# KiCad board digital_board_v1.kicad_pcb (continued)
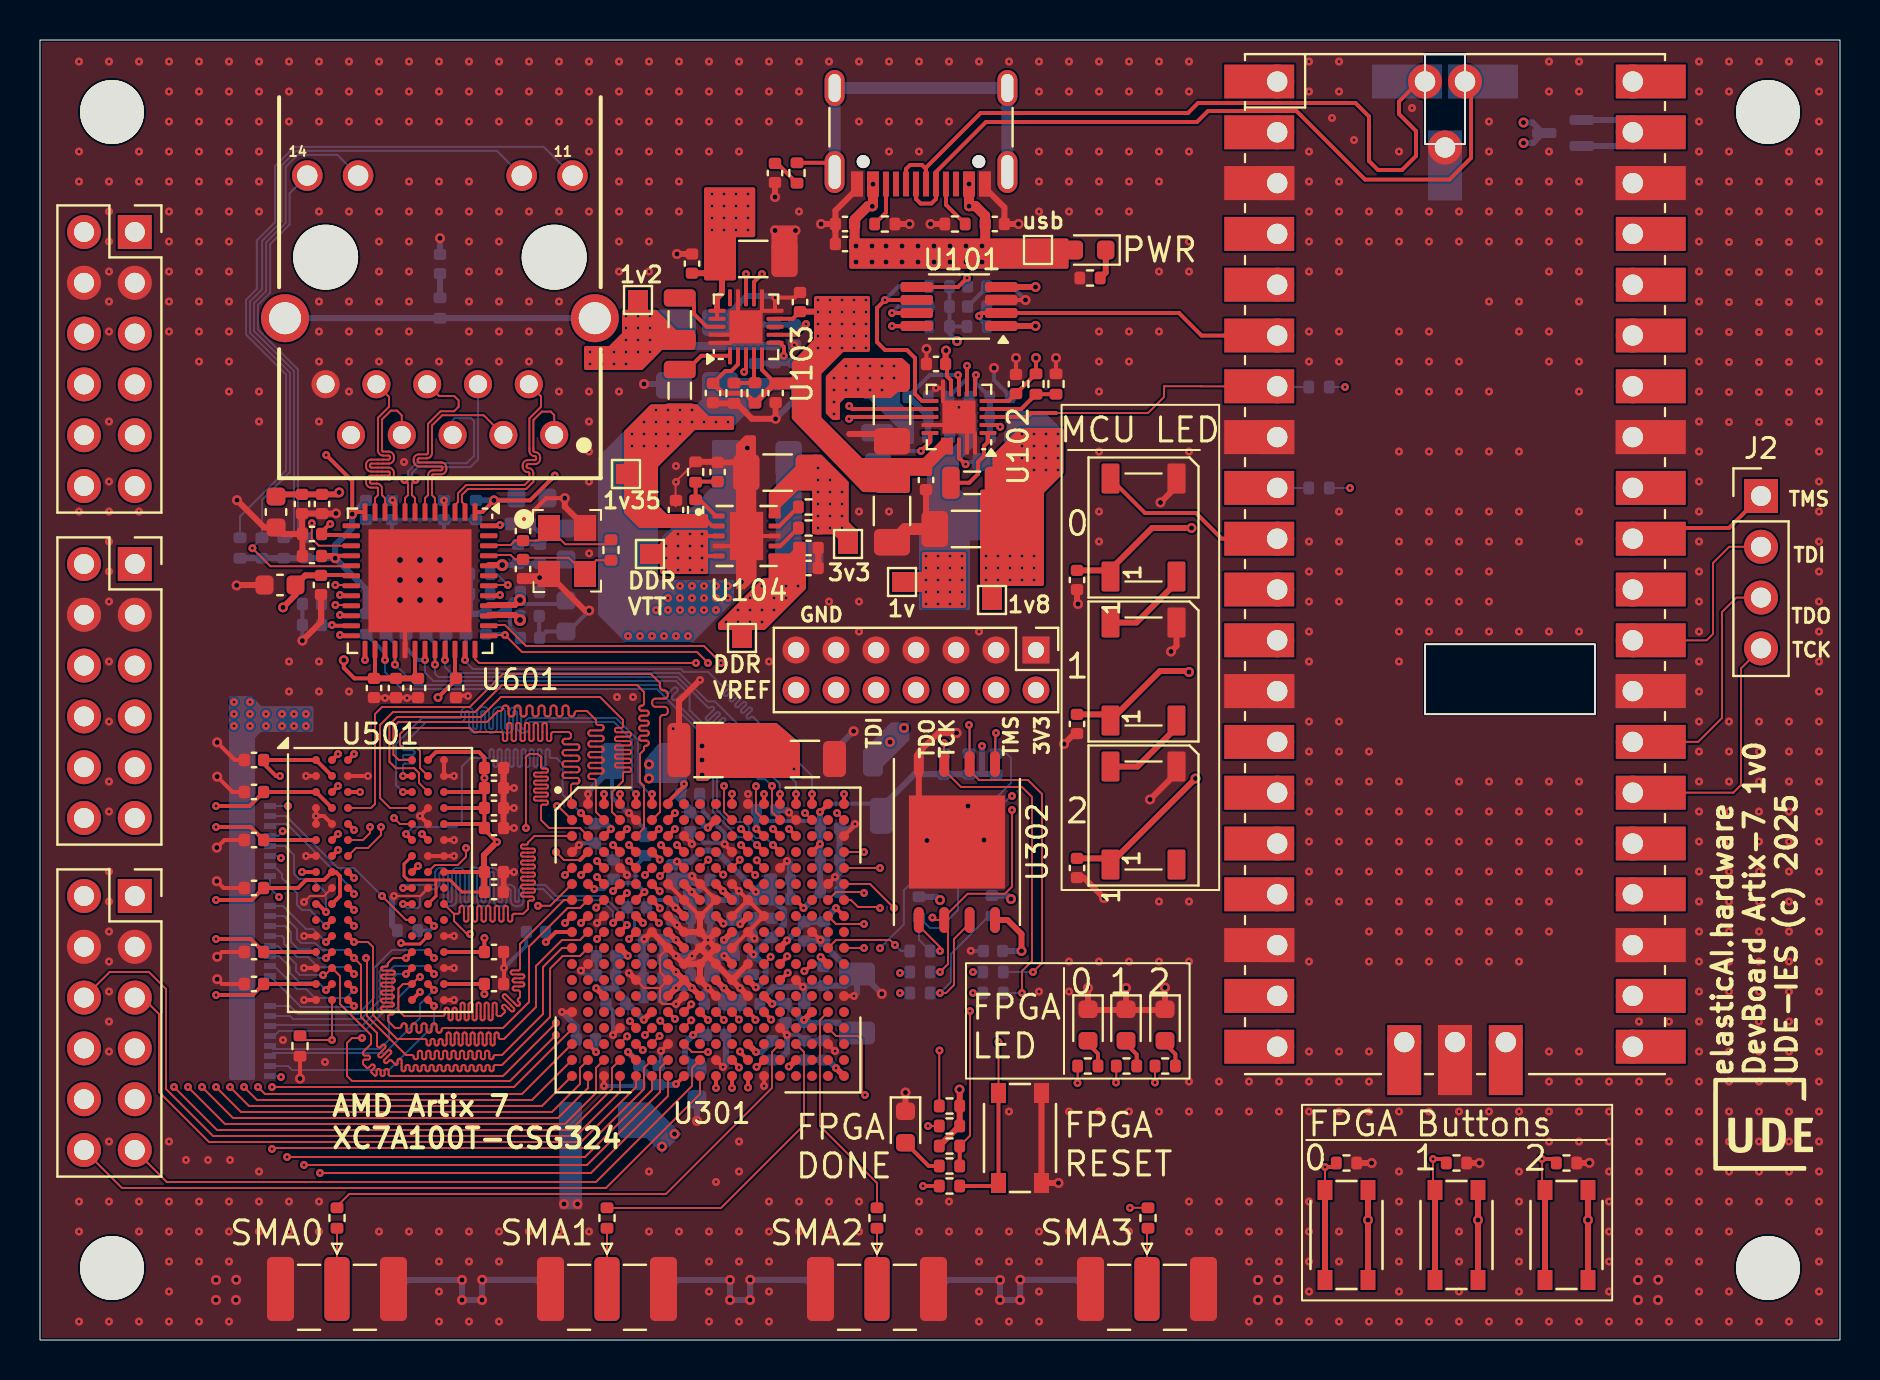
[diagram p0: board, top side]
## Routing (per net, layer and track width the routed paths; a pad name or vN(x,y) marks a point on that pad's centre or on a via; arc(x,y) is an arc through that point) (continued)
  F.Cu (signal) w0.2: U501.N3 v1(15.7,19.1)
  B.Cu (signal) w0.1: v1(15.7,19.1) 15.3,19.5 14.1,19.5 13.75,19.85 13.05,19.85 12.85,20.05 12.85,20.55 12.2,21.2 R503.10
DDR3_A1: length 36
  F.Cu (signal) w0.1: 27,24 26.2,24 v1(25.8,24.4)
  F.Cu (signal) w0.2: U501.P7 v1(18.3,18.3) ; U301.D2 27,24
  In2.Cu (signal) w0.1: v1(18.3,18.3) 19,19 19,19.3 arc(18.98,19.36) 18.92,19.39 18.57,19.39 arc(18.51,19.41) 18.49,19.47 18.49,19.51 arc(18.51,19.57) 18.57,19.6 19.43,19.6 arc(19.49,19.62) 19.51,19.68 19.51,19.72 arc(19.49,19.78) 19.43,19.81 18.57,19.81 arc(18.51,19.83) 18.49,19.89 18.49,19.93 arc(18.51,19.99) 18.57,20.02 19.43,20.02 arc(19.49,20.04) 19.51,20.1 19.51,20.14 arc(19.49,20.2) 19.43,20.23 18.57,20.23 arc(18.51,20.25) 18.49,20.31 18.49,20.35 arc(18.51,20.41) 18.57,20.44 19.28,20.44 arc(19.34,20.46) 19.36,20.52 19.36,20.56 arc(19.34,20.62) 19.28,20.65 18.57,20.65 arc(18.51,20.67) 18.49,20.73 18.49,20.77 arc(18.51,20.83) 18.57,20.86 19.33,20.86 arc(19.39,20.88) 19.41,20.94 19.41,20.98 arc(19.39,21.04) 19.33,21.07 18.57,21.07 arc(18.51,21.09) 18.49,21.15 18.49,21.19 arc(18.51,21.25) 18.57,21.28 19.33,21.28 arc(19.39,21.3) 19.41,21.36 19.41,21.4 arc(19.39,21.46) 19.33,21.49 18.57,21.49 arc(18.51,21.51) 18.49,21.57 18.49,21.61 arc(18.51,21.67) 18.57,21.7 19.18,21.7 arc(19.24,21.72) 19.26,21.78 19.26,21.82 arc(19.24,21.88) 19.18,21.91 19.08,21.91 arc(19.02,21.93) 19,21.99 19,22.25 19.11,22.36 arc(19.17,22.39) 19.23,22.36 19.47,22.12 arc(19.53,22.09) 19.59,22.12 19.62,22.15 arc(19.64,22.21) 19.62,22.27 19.12,22.76 arc(19.1,22.82) 19.12,22.88 19.15,22.91 arc(19.21,22.94) 19.27,22.91 19.77,22.42 arc(19.83,22.39) 19.89,22.42 19.92,22.45 arc(19.94,22.5) 19.92,22.56 19.68,22.81 arc(19.65,22.87) 19.68,22.93 20.5,23.75 21.35,23.75 22.15,24.55 23.25,24.55 23.48,24.78 25.42,24.78 v1(25.8,24.4)
  B.Cu (signal) w0.1: R501.12 11.7,15.2 11.95,15.45 16.22,15.45 17.6,16.82 17.6,18.05 17.85,18.3 v1(18.3,18.3)
DDR3_A2: length 32.1
  F.Cu (signal) w0.2: U501.P3 v1(15.7,18.3)
  F.Cu (signal) w0.3: v1(30.15,20.85) U301.H5
  In2.Cu (signal) w0.1: v1(15.7,18.3) 16.26,17.74 16.26,16.44 17.25,15.45 17.25,14.4 17.7,13.95 18.56,13.95 arc(18.64,13.98) 18.66,14.05 arc(18.69,14.12) 18.76,14.15 19.06,14.15 arc(19.13,14.12) 19.16,14.05 19.16,13.82 arc(19.19,13.74) 19.28,13.7 19.52,13.7 arc(19.61,13.74) 19.65,13.82 19.65,14.05 arc(19.67,14.12) 19.75,14.15 20.03,14.15 arc(20.11,14.12) 20.13,14.05 20.13,13.82 arc(20.17,13.74) 20.26,13.7 20.5,13.7 arc(20.59,13.74) 20.62,13.82 arc(20.66,13.91) 20.75,13.95 25.52,13.95 28.9,17.33 28.9,17.49 arc(28.92,17.55) 28.98,17.57 29.2,17.57 arc(29.26,17.59) 29.28,17.65 29.28,17.69 arc(29.26,17.75) 29.2,17.77 28.6,17.77 arc(28.54,17.79) 28.52,17.85 28.52,17.89 arc(28.54,17.95) 28.6,17.97 29.1,17.97 arc(29.16,17.99) 29.18,18.05 29.18,18.09 arc(29.16,18.15) 29.1,18.17 28.7,18.17 arc(28.64,18.19) 28.62,18.25 28.62,18.29 arc(28.64,18.35) 28.7,18.37 28.82,18.37 arc(28.88,18.39) 28.9,18.45 28.9,18.74 arc(28.92,18.8) 28.98,18.82 29.05,18.82 arc(29.11,18.84) 29.13,18.9 29.13,18.94 arc(29.11,19) 29.05,19.02 28.98,19.02 arc(28.92,19.04) 28.9,19.1 28.9,19.4 29.1,19.6 29.57,19.6 29.85,19.88 29.85,20.55 v1(30.15,20.85)
  B.Cu (signal) w0.1: R503.12 12.1,20.2 12.2,20.1 12.2,19.8 12.85,19.15 13.4,19.15 13.9,18.65 15.35,18.65 v1(15.7,18.3)
DDR3_A3: length 30.6
  F.Cu (signal) w0.2: U301.J5 v1(29.45,20.05) ; U501.N2 v1(14.3,19.1)
  In2.Cu (signal) w0.1: v1(29.45,20.05) 28.47,20.05 28.13,19.71 28.13,19.39 arc(28.15,19.33) 28.21,19.31 28.45,19.31 arc(28.51,19.29) 28.53,19.23 28.53,19.19 arc(28.51,19.13) 28.45,19.11 27.96,19.11 arc(27.9,19.09) 27.88,19.03 27.88,18.99 arc(27.9,18.93) 27.96,18.91 28.45,18.91 arc(28.51,18.89) 28.53,18.83 28.53,18.79 arc(28.51,18.73) 28.45,18.71 27.81,18.71 arc(27.75,18.69) 27.73,18.63 27.73,18.59 arc(27.75,18.53) 27.81,18.51 28.35,18.51 arc(28.41,18.49) 28.43,18.43 28.43,18.39 arc(28.41,18.33) 28.35,18.31 27.81,18.31 arc(27.75,18.29) 27.73,18.23 27.73,18.19 arc(27.75,18.13) 27.81,18.11 28.05,18.11 arc(28.11,18.09) 28.13,18.03 28.13,17.88 28.36,17.65 28.36,17.17 25.54,14.35 18.8,14.35 16.5,16.65 16.5,18.12 15.97,18.65 14.75,18.65 v1(14.3,19.1)
  B.Cu (signal) w0.1: R503.11 12.25,20.7 12.55,20.4 12.55,19.9 12.9,19.55 13.5,19.55 13.95,19.1 v1(14.3,19.1)
DDR3_A4: length 37.4
  F.Cu (signal) w0.1: U301.E1 v1(26.25,23.25) ; v1(19.7,18.3) 19.75,18.25
  F.Cu (signal) w0.2: U501.P8 v1(19.7,18.3)
  In2.Cu (signal) w0.1: 26.17,23.25 25.37,24.05 25.21,24.05 arc(25.15,24.03) 25.13,23.97 25.13,23.46 arc(25.1,23.4) 25.05,23.38 25.01,23.38 arc(24.95,23.4) 24.93,23.46 24.93,24.29 arc(24.9,24.35) 24.85,24.37 24.81,24.37 arc(24.75,24.35) 24.73,24.29 24.73,23.46 arc(24.7,23.4) 24.65,23.38 24.61,23.38 arc(24.55,23.4) 24.53,23.46 24.53,24.29 arc(24.5,24.35) 24.45,24.37 24.41,24.37 arc(24.35,24.35) 24.33,24.29 24.33,23.46 arc(24.3,23.4) 24.25,23.38 24.21,23.38 arc(24.15,23.4) 24.13,23.46 24.13,24.29 arc(24.1,24.35) 24.05,24.37 24.01,24.37 arc(23.95,24.35) 23.93,24.29 23.93,24.13 arc(23.9,24.07) 23.85,24.05 23.45,24.05 23.3,23.9 arc(23.27,23.84) 23.3,23.78 23.35,23.72 arc(23.38,23.66) 23.35,23.6 23.33,23.57 arc(23.27,23.55) 23.21,23.57 22.76,24.02 arc(22.7,24.04) 22.64,24.02 22.61,23.99 arc(22.59,23.93) 22.61,23.87 23.27,23.21 arc(23.29,23.15) 23.27,23.09 23.24,23.06 arc(23.18,23.04) 23.12,23.06 22.53,23.65 arc(22.47,23.68) 22.41,23.65 22.38,23.62 arc(22.36,23.56) 22.38,23.5 22.9,22.98 arc(22.93,22.93) 22.9,22.87 22.87,22.84 arc(22.81,22.81) 22.75,22.84 22.34,23.25 arc(22.28,23.27) 22.22,23.25 22.19,23.22 arc(22.17,23.16) 22.19,23.1 22.53,22.76 arc(22.56,22.7) 22.53,22.64 22.51,22.61 arc(22.45,22.59) 22.39,22.61 22.05,22.95 arc(21.99,22.98) 21.93,22.95 21.9,22.92 arc(21.87,22.86) 21.9,22.8 22.24,22.46 arc(22.26,22.4) 22.24,22.34 22.21,22.31 arc(22.15,22.29) 22.09,22.31 21.75,22.65 arc(21.69,22.68) 21.63,22.65 21.6,22.62 arc(21.58,22.56) 21.6,22.51 22.01,22.09 arc(22.04,22.03) 22.01,21.98 21.98,21.95 arc(21.92,21.92) 21.86,21.95 21.45,22.36 arc(21.39,22.38) 21.33,22.36 21.3,22.33 arc(21.28,22.27) 21.3,22.21 21.64,21.87 arc(21.67,21.81) 21.64,21.75 21.61,21.72 arc(21.55,21.69) 21.5,21.72 21.15,22.06 arc(21.1,22.08) 21.04,22.06 21.01,22.03 arc(20.98,21.97) 21.01,21.91 21.35,21.57 arc(21.37,21.51) 21.35,21.45 21.32,21.42 arc(21.26,21.4) 21.2,21.42 21.07,21.55 arc(21.01,21.58) 20.95,21.55 20.25,20.85 20.25,19.11 19.89,18.75 19.89,18.49 v1(19.7,18.3)
  In3.Cu (PWR) w0.1: v1(19.7,18.3) 19.8,18.2
  B.Cu (signal) w0.1: v1(19.7,18.3) 19.3,18.7 17.7,18.7 17.3,18.3 17.3,16.9 16.15,15.75 11.55,15.75 R501.11
DDR3_A5: length 31.1
  F.Cu (signal) w0.1: v1(14.15,18.25) 14.25,18.25 U501.P2 15,18.2 15,16.8 16.55,15.25 16.55,14.8 16.15,14.4 16.15,14.3 arc(16.17,14.25) 16.23,14.22 16.42,14.22 arc(16.48,14.2) 16.5,14.14 16.5,14.1 arc(16.48,14.05) 16.42,14.02 16.23,14.02 arc(16.17,14) 16.15,13.94 16.15,13.8 16.33,13.62 arc(16.38,13.6) 16.44,13.62 16.57,13.76 arc(16.63,13.78) 16.69,13.76 16.72,13.73 arc(16.74,13.67) 16.72,13.62 16.58,13.48 arc(16.56,13.43) 16.58,13.37 16.75,13.2 arc(16.81,13.22) 16.83,13.28 16.83,13.47 arc(16.85,13.53) 16.91,13.55 16.95,13.55 arc(17.01,13.53) 17.03,13.47 17.03,13.28 arc(17.05,13.22) 17.11,13.2 17.15,13.2 arc(17.21,13.22) 17.23,13.28 17.23,13.47 arc(17.25,13.53) 17.31,13.55 17.35,13.55 arc(17.41,13.53) 17.43,13.47 17.43,13.28 arc(17.45,13.22) 17.51,13.2 23.15,13.2 v1(25.8,15.85)
  F.Cu (signal) w0.2: U301.H2 v1(27.05,20.85)
  In2.Cu (signal) w0.1: v1(25.8,15.85) 26.04,15.85 26.24,16.05 26.25,16.05 26.53,16.33 26.53,16.58 26.27,16.84 26.27,18.27 27.05,19.05 27.05,19.36 arc(27.02,19.42) 26.96,19.45 26.94,19.45 arc(26.88,19.47) 26.85,19.54 26.85,19.59 arc(26.88,19.65) 26.94,19.68 27.26,19.68 arc(27.32,19.7) 27.35,19.77 27.35,19.82 arc(27.32,19.88) 27.26,19.91 26.94,19.91 arc(26.88,19.93) 26.85,20 26.85,20.05 arc(26.88,20.11) 26.94,20.14 27.26,20.14 arc(27.32,20.16) 27.35,20.23 27.35,20.28 arc(27.32,20.34) 27.26,20.37 27.14,20.37 arc(27.08,20.39) 27.05,20.46 v1(27.05,20.85)
  B.Cu (signal) w0.1: 14.15,18.25 v1(14.15,18.25) ; 14.15,18.25 14.15,18.25 ; 14.15,18.25 13,18.25 12.8,18.45 12.8,18.8 11.9,19.7 R503.13
DDR3_A6: length 36.9
  F.Cu (signal) w0.1: v1(19.7,17.5) 19.75,17.45
  F.Cu (signal) w0.2: U501.R8 v1(19.7,17.5) ; U301.E2 v1(27.05,23.25)
  In2.Cu (signal) w0.1: v1(27.05,23.25) 26.79,23.25 26.63,23.09 26.63,23.09 26.37,22.83 25.99,22.83 arc(25.93,22.81) 25.9,22.75 25.9,22.57 arc(25.88,22.51) 25.82,22.49 25.78,22.49 arc(25.72,22.51) 25.69,22.57 25.69,23.29 arc(25.67,23.35) 25.61,23.37 25.57,23.37 arc(25.51,23.35) 25.48,23.29 25.48,22.37 arc(25.46,22.31) 25.4,22.29 25.36,22.29 arc(25.3,22.31) 25.27,22.37 25.27,23.09 arc(25.25,23.15) 25.19,23.17 25.15,23.17 arc(25.09,23.15) 25.06,23.09 25.06,22.37 arc(25.04,22.31) 24.98,22.29 24.94,22.29 arc(24.88,22.31) 24.85,22.37 24.85,23.09 arc(24.83,23.15) 24.77,23.17 24.73,23.17 arc(24.67,23.15) 24.64,23.09 24.64,22.37 arc(24.62,22.31) 24.56,22.29 24.52,22.29 arc(24.46,22.31) 24.43,22.37 24.43,23.09 arc(24.41,23.15) 24.35,23.17 24.31,23.17 arc(24.25,23.15) 24.22,23.09 24.22,22.57 arc(24.2,22.51) 24.14,22.49 24.1,22.49 arc(24.04,22.51) 24.01,22.57 24.01,22.99 arc(23.99,23.05) 23.93,23.07 23.89,23.07 arc(23.83,23.05) 23.8,22.99 23.8,22.91 arc(23.78,22.85) 23.72,22.83 23.43,22.83 23.25,22.65 arc(23.22,22.59) 23.25,22.53 23.3,22.48 arc(23.32,22.42) 23.3,22.36 23.27,22.33 arc(23.21,22.3) 23.15,22.33 22.89,22.58 arc(22.83,22.61) 22.77,22.58 22.74,22.55 arc(22.72,22.49) 22.74,22.44 23.18,22 arc(23.2,21.94) 23.18,21.88 23.15,21.85 arc(23.09,21.83) 23.03,21.85 22.6,22.29 arc(22.54,22.31) 22.48,22.29 22.45,22.26 arc(22.42,22.2) 22.45,22.14 22.88,21.71 arc(22.9,21.65) 22.88,21.59 22.85,21.56 arc(22.79,21.53) 22.73,21.56 22.5,21.78 arc(22.44,21.81) 22.38,21.78 22.36,21.76 arc(22.33,21.7) 22.36,21.64 22.62,21.37 arc(22.64,21.31) 22.62,21.25 22.59,21.22 arc(22.53,21.2) 22.47,21.22 22,21.69 arc(21.94,21.72) 21.88,21.69 21.85,21.66 arc(21.83,21.6) 21.85,21.54 22.32,21.08 arc(22.35,21.02) 22.32,20.96 22.29,20.93 arc(22.23,20.9) 22.17,20.93 21.7,21.4 arc(21.65,21.42) 21.59,21.4 21.56,21.37 arc(21.53,21.31) 21.56,21.25 22.02,20.78 arc(22.05,20.72) 22.02,20.66 21.99,20.63 arc(21.94,20.61) 21.88,20.63 21.34,21.17 arc(21.28,21.19) 21.22,21.17 21.19,21.14 arc(21.16,21.08) 21.19,21.02 21.35,20.86 arc(21.37,20.8) 21.35,20.75 21.05,20.45 21.05,20.06 20.45,19.46 20.45,19.46 20.45,19.03 20.2,18.78 20.2,18 v1(19.7,17.5)
  B.Cu (signal) w0.1: R501.14 11.65,14.35 17.25,14.35 19,16.1 19,16.8 v1(19.7,17.5)
DDR3_A7: length 27.5
  F.Cu (signal) w0.1: v1(25.8,15.25) 23.5,12.95 15.6,12.95 15.35,13.2 15.35,14.85 15.6,15.1 v1(16.1,15.1) ; U301.J3 v1(27.85,20.05)
  F.Cu (signal) w0.2: U501.R2 v1(14.3,17.5)
  In2.Cu (signal) w0.1: v1(16.1,15.1) 14.3,16.9 v1(14.3,17.5) ; v1(27.85,20.05) 27.76,20.05 27.56,19.84 27.56,19.49 27.66,19.39 27.66,19.09 27.39,18.82 27.39,18.62 27.39,18.62 27.39,17.9 27.1,17.61 27.1,16.55 v1(25.8,15.25)
  B.Cu (signal) w0.1: v1(14.3,17.5) 13.9,17.9 12.95,17.9 12.5,18.35 12.5,18.65 11.95,19.2 R503.14
DDR3_A8: length 37.1
  F.Cu (signal) w0.1: U301.F1 25.51,21.71 v1(24.9,21.71) ; 19.75,16.65 v1(19.7,16.7)
  F.Cu (signal) w0.2: U501.T8 v1(19.7,16.7)
  In2.Cu (signal) w0.1: v1(19.7,16.7) 20.13,17.13 arc(20.16,17.2) 20.13,17.26 20.09,17.31 arc(20.06,17.37) 20.09,17.44 20.12,17.47 arc(20.18,17.5) 20.25,17.47 20.3,17.43 arc(20.36,17.4) 20.43,17.43 20.46,17.46 arc(20.48,17.52) 20.46,17.59 20.34,17.71 arc(20.31,17.77) 20.34,17.84 20.37,17.87 arc(20.44,17.89) 20.5,17.87 20.94,17.43 arc(21,17.41) 21.07,17.43 21.1,17.46 arc(21.13,17.53) 21.1,17.59 20.67,18.03 arc(20.64,18.1) 20.67,18.16 20.7,18.19 arc(20.76,18.22) 20.83,18.19 21.23,17.79 arc(21.29,17.77) 21.36,17.79 21.39,17.83 arc(21.42,17.89) 21.39,17.96 21.03,18.32 arc(21,18.39) 21.03,18.45 21.06,18.48 arc(21.12,18.51) 21.19,18.48 21.55,18.12 arc(21.62,18.09) 21.68,18.12 21.72,18.15 arc(21.74,18.22) 21.72,18.28 20.86,19.14 arc(20.83,19.21) 20.86,19.27 20.89,19.3 arc(20.95,19.33) 21.02,19.3 21.88,18.44 arc(21.94,18.42) 22.01,18.44 22.04,18.48 arc(22.07,18.54) 22.04,18.61 21.18,19.47 arc(21.15,19.53) 21.18,19.6 21.21,19.63 arc(21.28,19.66) 21.34,19.63 22.2,18.77 arc(22.27,18.74) 22.33,18.77 22.37,18.8 arc(22.39,18.87) 22.37,18.93 21.54,19.76 arc(21.52,19.82) 21.54,19.89 21.57,19.92 arc(21.64,19.95) 21.7,19.92 22.53,19.09 arc(22.59,19.07) 22.66,19.09 22.69,19.13 arc(22.72,19.19) 22.69,19.26 22.36,19.59 arc(22.34,19.65) 22.36,19.72 22.4,19.75 arc(22.46,19.78) 22.53,19.75 22.57,19.7 arc(22.64,19.68) 22.7,19.7 22.9,19.9 22.9,20.26 arc(22.93,20.32) 22.99,20.35 23.11,20.35 arc(23.17,20.37) 23.2,20.44 23.2,20.49 arc(23.17,20.55) 23.11,20.58 22.54,20.58 arc(22.48,20.6) 22.45,20.67 22.45,20.72 arc(22.48,20.78) 22.54,20.81 22.81,20.81 arc(22.87,20.83) 22.9,20.9 22.9,21.2 23.17,21.47 arc(23.23,21.49) 23.28,21.47 23.4,21.35 arc(23.46,21.33) 23.52,21.35 23.54,21.38 arc(23.57,21.43) 23.54,21.49 23.42,21.61 arc(23.4,21.67) 23.42,21.72 23.6,21.9 23.74,21.9 arc(23.8,21.88) 23.82,21.82 23.82,21.65 arc(23.84,21.59) 23.9,21.57 23.94,21.57 arc(24,21.59) 24.02,21.65 24.02,22.15 arc(24.04,22.21) 24.1,22.23 24.14,22.23 arc(24.2,22.21) 24.22,22.15 24.22,21.65 arc(24.24,21.59) 24.3,21.57 24.34,21.57 arc(24.4,21.59) 24.42,21.65 24.42,21.82 arc(24.44,21.88) 24.5,21.9 24.71,21.9 v1(24.9,21.71)
  In3.Cu (PWR) w0.1: v1(19.7,16.7) 19.75,16.65
  B.Cu (signal) w0.1: R501.15 12.4,13.7 12.6,13.5 17.45,13.5 19.7,15.75 v1(19.7,16.7)
DDR3_A9: length 32
  F.Cu (signal) w0.2: v1(30.95,20.85) U301.H6 ; U501.R3 v1(15.7,17.5)
  In2.Cu (signal) w0.1: v1(15.7,17.5) 16.05,17.15 16.05,16.85 16.05,16.85 16.05,16.55 16.05,16.55 16.05,16.2 16.85,15.4 16.85,14.05 17.45,13.45 20.95,13.45 arc(21.01,13.48) 21.04,13.54 arc(21.07,13.6) 21.13,13.63 21.29,13.63 arc(21.35,13.6) 21.38,13.54 21.38,13.36 arc(21.41,13.3) 21.47,13.27 21.63,13.27 arc(21.69,13.3) 21.72,13.36 21.72,13.54 arc(21.75,13.6) 21.81,13.63 21.97,13.63 arc(22.03,13.6) 22.06,13.54 22.06,13.36 arc(22.09,13.3) 22.15,13.27 22.31,13.27 arc(22.37,13.3) 22.4,13.36 22.4,13.54 arc(22.43,13.6) 22.49,13.63 22.65,13.63 arc(22.71,13.6) 22.74,13.54 22.74,13.36 arc(22.77,13.3) 22.83,13.27 22.99,13.27 arc(23.05,13.3) 23.08,13.36 23.08,13.54 arc(23.11,13.6) 23.17,13.63 23.33,13.63 arc(23.39,13.6) 23.42,13.54 23.42,13.36 arc(23.45,13.3) 23.51,13.27 23.67,13.27 arc(23.73,13.3) 23.76,13.36 23.76,13.54 arc(23.79,13.6) 23.85,13.63 24.01,13.63 arc(24.07,13.6) 24.1,13.54 24.1,13.36 arc(24.13,13.3) 24.19,13.27 24.35,13.27 arc(24.41,13.3) 24.44,13.36 arc(24.47,13.42) 24.53,13.45 25.4,13.45 30.1,18.15 30.1,18.3 30.18,18.38 arc(30.21,18.44) 30.18,18.5 30.09,18.59 arc(30.07,18.65) 30.09,18.7 30.12,18.73 arc(30.18,18.75) 30.23,18.73 30.32,18.64 arc(30.38,18.61) 30.44,18.64 30.47,18.67 arc(30.49,18.72) 30.47,18.78 30.37,18.87 arc(30.35,18.93) 30.37,18.98 30.4,19.01 arc(30.46,19.04) 30.52,19.01 30.61,18.92 arc(30.66,18.9) 30.72,18.92 30.95,19.15 v1(30.95,20.85)
  B.Cu (signal) w0.1: v1(15.7,17.5) 15.3,17.1 13.75,17.1 13.3,17.55 12.85,17.55 11.7,18.7 R503.15
DDR3_A10: length 34.2
  F.Cu (signal) w0.1: U501.L7 18.3,21 v1(17.1,22.2) ; v1(24.3,25.6) 24.3,29.15 24.45,29.3 24.9,29.3 25.05,29.15 25.05,28.65 arc(25.07,28.59) 25.13,28.57 25.32,28.57 arc(25.38,28.55) 25.4,28.49 25.4,28.45 arc(25.38,28.39) 25.32,28.37 24.78,28.37 arc(24.72,28.35) 24.7,28.29 24.7,28.25 arc(24.72,28.19) 24.78,28.17 25.32,28.17 arc(25.38,28.15) 25.4,28.09 25.4,28.05 arc(25.38,27.99) 25.32,27.97 24.78,27.97 arc(24.72,27.95) 24.7,27.89 24.7,27.85 arc(24.72,27.79) 24.78,27.77 25.32,27.77 arc(25.38,27.75) 25.4,27.69 25.4,27.65 arc(25.38,27.59) 25.32,27.57 24.78,27.57 arc(24.72,27.55) 24.7,27.49 24.7,27.45 arc(24.72,27.39) 24.78,27.37 25.32,27.37 arc(25.38,27.35) 25.4,27.29 25.4,27.25 arc(25.38,27.19) 25.32,27.17 24.78,27.17 arc(24.72,27.15) 24.7,27.09 24.7,27.05 arc(24.72,26.99) 24.78,26.97 25.32,26.97 arc(25.38,26.95) 25.4,26.89 25.4,26.85 arc(25.38,26.79) 25.32,26.77 25.13,26.77 arc(25.07,26.75) 25.05,26.69 25.05,26 25.45,25.6 27,25.6 U301.C2
  In2.Cu (signal) w0.1: v1(24.3,25.6) 23.95,25.25 22.45,25.25 21.45,24.25 21.16,24.25 20.86,24.55 20.34,24.55 19.55,23.76 19.55,23.47 19.23,23.15 18.15,23.15 17.48,22.48 17.26,22.48 17.1,22.32 v1(17.1,22.2)
  B.Cu (signal) w0.1: v1(17.1,22.2) 15.7,23.6 14.9,23.6 12.3,26.2 R502.10
DDR3_A11: length 40.6
  F.Cu (signal) w0.1: v1(19,18.15) 18.95,18.15 U501.R7 18.15,17.8 17.92,17.57 17.92,16.48 18.2,16.2 20.15,16.2 arc(20.21,16.22) 20.23,16.28 20.23,16.53 arc(20.25,16.59) 20.31,16.61 20.35,16.61 arc(20.41,16.59) 20.43,16.53 20.43,16.07 arc(20.45,16.01) 20.51,15.99 20.55,15.99 arc(20.61,16.01) 20.63,16.07 20.63,16.53 arc(20.65,16.59) 20.71,16.61 20.75,16.61 arc(20.81,16.59) 20.83,16.53 20.83,16.07 arc(20.85,16.01) 20.91,15.99 20.95,15.99 arc(21.01,16.01) 21.03,16.07 21.03,16.78 arc(21.05,16.84) 21.11,16.86 21.15,16.86 arc(21.21,16.84) 21.23,16.78 21.23,16.07 arc(21.25,16.01) 21.31,15.99 21.35,15.99 arc(21.41,16.01) 21.43,16.07 21.43,16.78 arc(21.45,16.84) 21.51,16.86 21.55,16.86 arc(21.61,16.84) 21.63,16.78 21.63,16.07 arc(21.65,16.01) 21.71,15.99 21.75,15.99 arc(21.81,16.01) 21.83,16.07 21.83,16.78 arc(21.85,16.84) 21.91,16.86 21.95,16.86 arc(22.01,16.84) 22.03,16.78 22.03,16.07 arc(22.05,16.01) 22.11,15.99 22.15,15.99 arc(22.21,16.01) 22.23,16.07 22.23,16.78 arc(22.25,16.84) 22.31,16.86 22.35,16.86 arc(22.41,16.84) 22.43,16.78 22.43,16.07 arc(22.45,16.01) 22.51,15.99 22.55,15.99 arc(22.61,16.01) 22.63,16.07 22.63,16.78 arc(22.65,16.84) 22.71,16.86 22.75,16.86 arc(22.81,16.84) 22.83,16.78 22.83,16.28 arc(22.85,16.22) 22.91,16.2 23.05,16.2 23.23,16.38 arc(23.25,16.43) 23.23,16.49 23.12,16.6 arc(23.09,16.66) 23.12,16.71 23.15,16.74 arc(23.2,16.76) 23.26,16.74 23.55,16.44 arc(23.61,16.42) 23.67,16.44 23.7,16.47 arc(23.72,16.53) 23.7,16.59 23.15,17.13 arc(23.13,17.19) 23.15,17.24 23.18,17.27 arc(23.24,17.29) 23.29,17.27 23.84,16.73 arc(23.89,16.7) 23.95,16.73 23.98,16.76 arc(24,16.81) 23.98,16.87 23.91,16.94 arc(23.88,17) 23.91,17.06 24,17.15 24,17.4 arc(23.98,17.46) 23.92,17.48 23.72,17.48 arc(23.66,17.5) 23.64,17.56 23.64,17.6 arc(23.66,17.66) 23.72,17.68 24.13,17.68 arc(24.19,17.7) 24.21,17.76 24.21,17.8 arc(24.19,17.86) 24.13,17.88 23.72,17.88 arc(23.66,17.9) 23.64,17.96 23.64,18 arc(23.66,18.06) 23.72,18.08 24.13,18.08 arc(24.19,18.1) 24.21,18.16 24.21,18.2 arc(24.19,18.26) 24.13,18.28 23.62,18.28 arc(23.56,18.3) 23.54,18.36 23.54,18.4 arc(23.56,18.46) 23.62,18.48 23.92,18.48 arc(23.98,18.5) 24,18.56 24,19.8 26.2,22 U301.G1
  B.Cu (signal) w0.1: v1(19,18.15) 18.95,18.15 17.9,17.1 17.9,16.65 17.45,16.2 17.45,15 17,14.55 11.65,14.55 R501.13
DDR3_A12: length 37.5
  F.Cu (signal) w0.1: U301.G2 27,21.6 26.38,21.6 24.45,19.67 24.45,16.9 23.15,15.6 20.18,15.6 arc(20.11,15.57) 20.08,15.5 20.08,15.47 arc(20.05,15.4) 19.98,15.37 19.93,15.37 arc(19.86,15.4) 19.83,15.47 19.83,15.73 arc(19.8,15.8) 19.73,15.83 19.68,15.83 arc(19.61,15.8) 19.58,15.73 19.58,15.47 arc(19.55,15.4) 19.48,15.37 19.43,15.37 arc(19.36,15.4) 19.33,15.47 19.33,15.73 arc(19.3,15.8) 19.23,15.83 19.18,15.83 arc(19.11,15.8) 19.08,15.73 19.08,15.47 arc(19.05,15.4) 18.98,15.37 18.93,15.37 arc(18.86,15.4) 18.83,15.47 18.83,15.73 arc(18.8,15.8) 18.73,15.83 18.68,15.83 arc(18.61,15.8) 18.58,15.73 18.58,15.47 arc(18.55,15.4) 18.48,15.37 18.43,15.37 arc(18.36,15.4) 18.33,15.47 18.33,15.73 arc(18.3,15.8) 18.23,15.83 18.18,15.83 arc(18.11,15.8) 18.08,15.73 18.08,15.7 arc(18.05,15.63) 17.98,15.6 17.75,15.6 17.4,15.95 17.4,16.19 arc(17.42,16.25) 17.48,16.27 17.61,16.27 arc(17.67,16.29) 17.69,16.35 17.69,16.39 arc(17.67,16.45) 17.61,16.47 17.14,16.47 arc(17.08,16.49) 17.06,16.55 17.06,16.59 arc(17.08,16.65) 17.14,16.67 17.61,16.67 arc(17.67,16.69) 17.69,16.75 17.69,16.79 arc(17.67,16.85) 17.61,16.87 17.14,16.87 arc(17.08,16.89) 17.06,16.95 17.06,16.99 arc(17.08,17.05) 17.14,17.07 17.61,17.07 arc(17.67,17.09) 17.69,17.15 17.69,17.19 arc(17.67,17.25) 17.61,17.27 17.14,17.27 arc(17.08,17.29) 17.06,17.35 17.06,17.39 arc(17.08,17.45) 17.14,17.47 17.61,17.47 arc(17.67,17.49) 17.69,17.55 17.69,17.59 arc(17.67,17.65) 17.61,17.67 17.14,17.67 arc(17.08,17.69) 17.06,17.75 17.06,17.79 arc(17.08,17.85) 17.14,17.87 17.66,17.87 arc(17.72,17.89) 17.74,17.95 17.74,17.99 arc(17.72,18.05) 17.66,18.07 17.14,18.07 arc(17.08,18.09) 17.06,18.15 17.06,18.19 arc(17.08,18.25) 17.14,18.27 17.66,18.27 arc(17.72,18.29) 17.74,18.35 17.74,18.39 arc(17.72,18.45) 17.66,18.47 17.14,18.47 arc(17.08,18.49) 17.06,18.55 17.06,18.59 arc(17.08,18.65) 17.14,18.67 17.32,18.67 arc(17.38,18.69) 17.4,18.75 17.4,18.85 17.65,19.1 v1(18.3,19.1)
  F.Cu (signal) w0.2: U501.N7 v1(18.3,19.1)
  B.Cu (signal) w0.1: R501.10 12.5,16.2 12.65,16.05 16.05,16.05 17,17 17,18.45 17.65,19.1 v1(18.3,19.1)
DDR3_A13: length 31.9
  F.Cu (signal) w0.2: U501.T3 v1(15.7,16.7) ; v1(30.99,21.58) 30.99,21.61 U301.G6
  In2.Cu (signal) w0.1: v1(30.99,21.58) 30.95,21.54 30.95,21.35 31.3,21 31.3,20.63 31.15,20.48 31.15,18.8 25.3,12.95 20.06,12.95 arc(20,12.92) 19.97,12.86 arc(19.94,12.8) 19.88,12.77 19.8,12.77 arc(19.74,12.8) 19.71,12.86 19.71,13.04 arc(19.68,13.1) 19.62,13.13 19.54,13.13 arc(19.48,13.1) 19.45,13.04 19.45,12.86 arc(19.42,12.8) 19.36,12.77 19.28,12.77 arc(19.22,12.8) 19.19,12.86 19.19,13.04 arc(19.16,13.1) 19.1,13.13 19.02,13.13 arc(18.96,13.1) 18.93,13.04 18.93,12.86 arc(18.9,12.8) 18.84,12.77 18.76,12.77 arc(18.7,12.8) 18.67,12.86 18.67,13.04 arc(18.64,13.1) 18.58,13.13 18.5,13.13 arc(18.44,13.1) 18.41,13.04 18.41,12.86 arc(18.38,12.8) 18.32,12.77 18.24,12.77 arc(18.18,12.8) 18.15,12.86 18.15,13.04 arc(18.12,13.1) 18.06,13.13 17.98,13.13 arc(17.92,13.1) 17.89,13.04 arc(17.86,12.98) 17.8,12.95 17.35,12.95 16.55,13.75 16.55,15.3 16.3,15.55 16.03,15.55 15.7,15.88 v1(15.7,16.7)
  B.Cu (signal) w0.1: v1(15.7,16.7) 15.65,16.65 13.05,16.65 R503.16
DDR3_A14: length 36.2
  F.Cu (signal) w0.2: U301.F3 v1(27.85,23.15) ; U501.T7 v1(19,17.4)
  In2.Cu (signal) w0.1: v1(19,17.4) 19,16.7 19.55,16.15 22.25,16.15 22.38,16.28 arc(22.44,16.3) 22.49,16.28 22.61,16.17 arc(22.66,16.14) 22.72,16.17 22.75,16.2 arc(22.77,16.25) 22.75,16.31 22.41,16.65 arc(22.39,16.7) 22.41,16.76 22.44,16.79 arc(22.49,16.81) 22.55,16.79 22.89,16.45 arc(22.95,16.43) 23,16.45 23.03,16.48 arc(23.05,16.54) 23.03,16.59 22.69,16.93 arc(22.67,16.99) 22.69,17.04 22.72,17.07 arc(22.78,17.1) 22.83,17.07 23.17,16.73 arc(23.23,16.71) 23.29,16.73 23.31,16.76 arc(23.34,16.82) 23.31,16.87 22.97,17.21 arc(22.95,17.27) 22.97,17.33 23,17.36 arc(23.06,17.38) 23.12,17.36 23.46,17.02 arc(23.51,16.99) 23.57,17.02 23.6,17.04 arc(23.62,17.1) 23.6,17.16 23.26,17.5 arc(23.23,17.55) 23.26,17.61 23.29,17.64 arc(23.34,17.66) 23.4,17.64 23.51,17.53 arc(23.57,17.5) 23.62,17.53 23.75,17.65 23.75,17.94 arc(23.73,18) 23.67,18.02 23.5,18.02 arc(23.44,18.04) 23.42,18.1 23.42,18.14 arc(23.44,18.2) 23.5,18.22 23.95,18.22 arc(24.01,18.24) 24.03,18.3 24.03,18.34 arc(24.01,18.4) 23.95,18.42 23.83,18.42 arc(23.77,18.44) 23.75,18.5 23.75,18.54 arc(23.77,18.6) 23.83,18.62 23.95,18.62 arc(24.01,18.64) 24.03,18.7 24.03,18.74 arc(24.01,18.8) 23.95,18.82 23.55,18.82 arc(23.49,18.84) 23.47,18.9 23.47,18.94 arc(23.49,19) 23.55,19.02 23.95,19.02 arc(24.01,19.04) 24.03,19.1 24.03,19.14 arc(24.01,19.2) 23.95,19.22 23.5,19.22 arc(23.44,19.24) 23.42,19.3 23.42,19.34 arc(23.44,19.4) 23.5,19.42 23.95,19.42 arc(24.01,19.44) 24.03,19.5 24.03,19.54 arc(24.01,19.6) 23.95,19.62 23.5,19.62 arc(23.44,19.64) 23.42,19.7 23.42,19.74 arc(23.44,19.8) 23.5,19.82 23.95,19.82 arc(24.01,19.84) 24.03,19.9 24.03,19.94 arc(24.01,20) 23.95,20.02 23.5,20.02 arc(23.44,20.04) 23.42,20.1 23.42,20.14 arc(23.44,20.2) 23.5,20.22 24,20.22 arc(24.06,20.24) 24.08,20.3 24.08,20.34 arc(24.06,20.4) 24,20.42 23.83,20.42 arc(23.77,20.44) 23.75,20.5 23.75,20.75 23.8,20.8 arc(23.83,20.86) 23.8,20.92 23.68,21.04 arc(23.66,21.09) 23.68,21.15 23.71,21.18 arc(23.77,21.2) 23.83,21.18 24.18,20.83 arc(24.24,20.8) 24.29,20.83 24.32,20.85 arc(24.34,20.91) 24.32,20.97 24.2,21.09 arc(24.18,21.14) 24.2,21.2 24.3,21.3 25.12,21.3 26.72,22.9 27.6,22.9 v1(27.85,23.15)
  In5.Cu (signal) w0.1: v1(19,17.4) 17.2,15.6 14.5,15.6 v1(12.05,13.15)
  B.Cu (signal) w0.1: v1(12.05,13.15) 12,13.2 R501.16
DDR3_BA0: length 30.4
  F.Cu (signal) w0.1: U301.K1 26.1,19.6 25.15,18.65 25.15,16.3 23.1,14.25 22.76,14.25 arc(22.7,14.23) 22.67,14.17 22.67,14.12 arc(22.65,14.06) 22.59,14.04 22.55,14.04 arc(22.49,14.06) 22.46,14.12 22.46,14.38 arc(22.44,14.44) 22.38,14.46 22.34,14.46 arc(22.28,14.44) 22.25,14.38 22.25,14.12 arc(22.23,14.06) 22.17,14.04 22.13,14.04 arc(22.07,14.06) 22.04,14.12 22.04,14.38 arc(22.02,14.44) 21.96,14.46 21.92,14.46 arc(21.86,14.44) 21.83,14.38 21.83,14.12 arc(21.81,14.06) 21.75,14.04 21.71,14.04 arc(21.65,14.06) 21.62,14.12 21.62,14.38 arc(21.6,14.44) 21.54,14.46 21.5,14.46 arc(21.44,14.44) 21.41,14.38 21.41,14.12 arc(21.39,14.06) 21.33,14.04 21.29,14.04 arc(21.23,14.06) 21.2,14.12 21.2,14.38 arc(21.18,14.44) 21.12,14.46 21.08,14.46 arc(21.02,14.44) 20.99,14.38 20.99,14.12 arc(20.97,14.06) 20.91,14.04 20.87,14.04 arc(20.81,14.06) 20.78,14.12 20.78,14.38 arc(20.76,14.44) 20.7,14.46 20.66,14.46 arc(20.6,14.44) 20.57,14.38 20.57,14.12 arc(20.55,14.06) 20.49,14.04 20.45,14.04 arc(20.39,14.06) 20.36,14.12 20.36,14.38 arc(20.34,14.44) 20.28,14.46 20.24,14.46 arc(20.18,14.44) 20.15,14.38 20.15,14.12 arc(20.13,14.06) 20.07,14.04 20.03,14.04 arc(19.97,14.06) 19.94,14.12 19.94,14.38 arc(19.92,14.44) 19.86,14.46 19.82,14.46 arc(19.76,14.44) 19.73,14.38 19.73,14.12 arc(19.71,14.06) 19.65,14.04 19.61,14.04 arc(19.55,14.06) 19.52,14.12 19.52,14.38 arc(19.5,14.44) 19.44,14.46 19.4,14.46 arc(19.34,14.44) 19.31,14.38 19.31,14.12 arc(19.29,14.06) 19.23,14.04 19.19,14.04 arc(19.13,14.06) 19.1,14.12 19.1,14.38 arc(19.08,14.44) 19.02,14.46 18.98,14.46 arc(18.92,14.44) 18.89,14.38 18.89,14.12 arc(18.87,14.06) 18.81,14.04 18.77,14.04 arc(18.71,14.06) 18.68,14.12 18.68,14.17 arc(18.66,14.23) 18.6,14.25 18.3,14.25 16.35,16.2 16.35,19.05 v1(16.3,19.1)
  F.Cu (signal) w0.2: U501.M2 v1(14.3,19.9)
  In2.Cu (signal) w0.1: v1(16.3,19.1) 15.9,19.5 14.7,19.5 v1(14.3,19.9)
  B.Cu (signal) w0.1: v1(14.3,19.9) 13.65,20.55 13.3,20.55 12.15,21.7 R503.9
